# Altium PCB PrototypeSingle.PcbDoc (part 1 of 3) (continued)
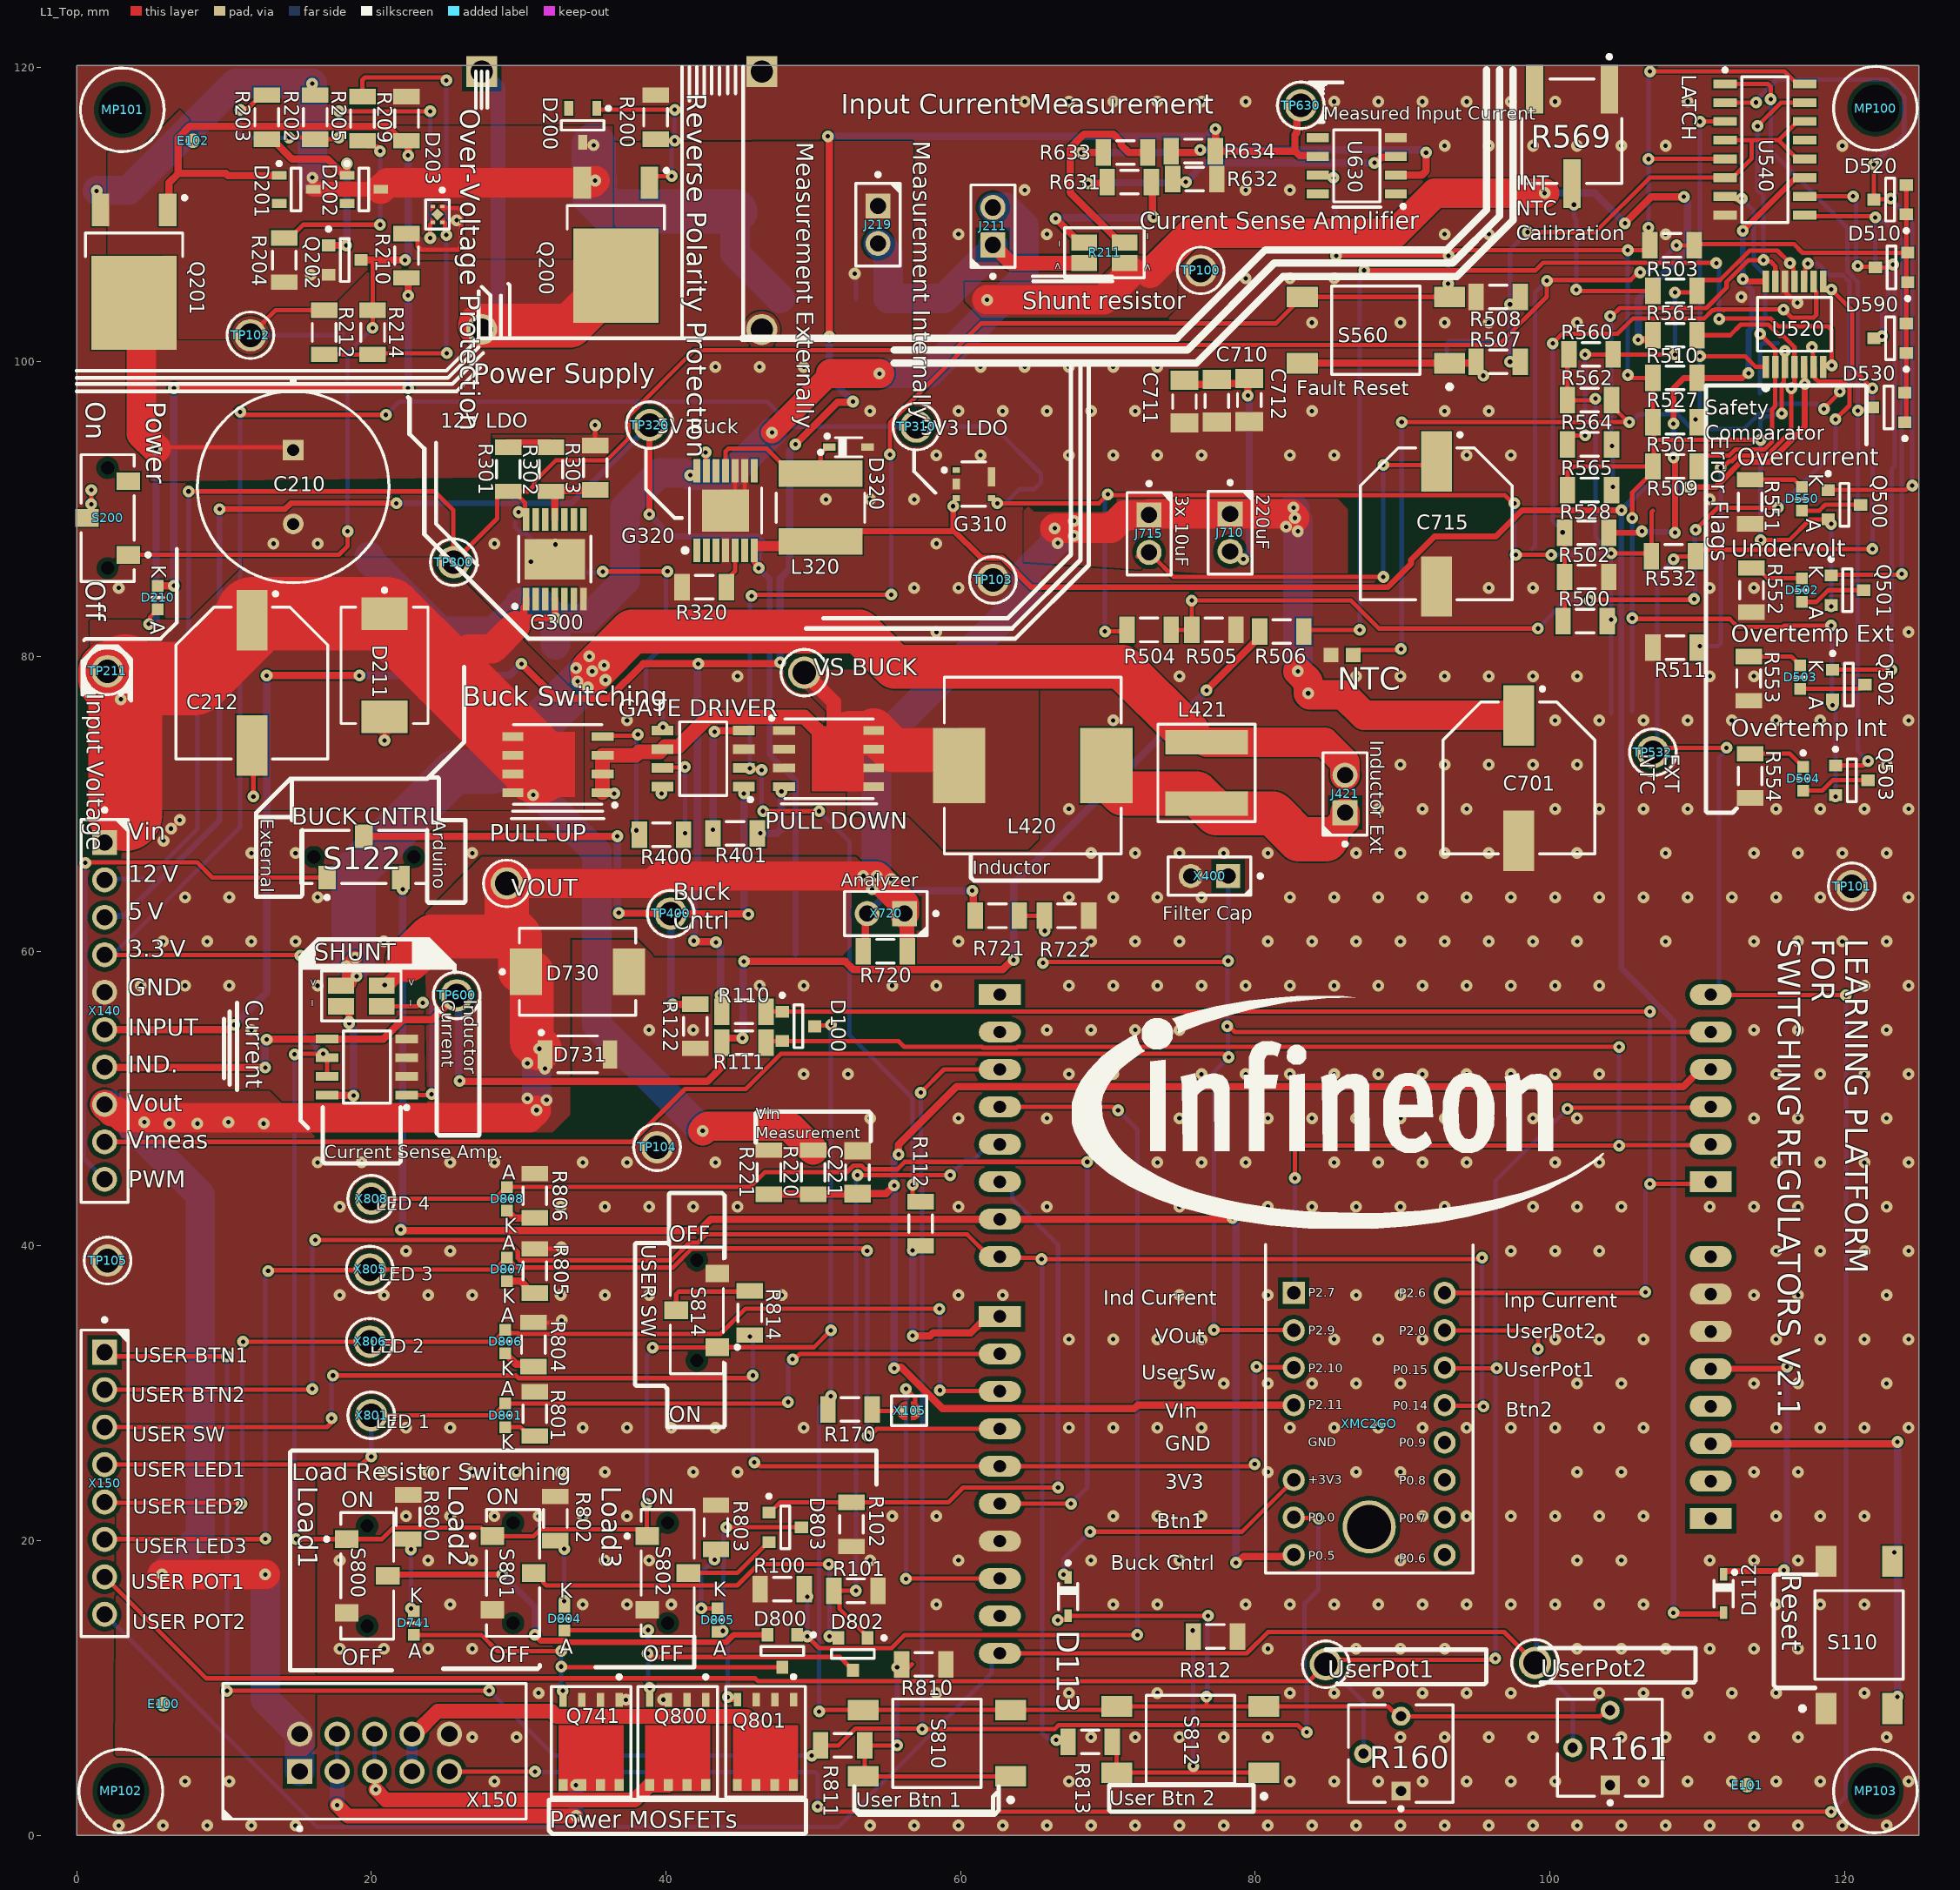
[diagram p0: L1_Top view]
## Components (designator, comment, footprint, x,y, rotation, side; value= is the part's Value field where it differs from the comment)
C210 "1mF" CAPPRD500W60D1300H2700B 14.701,91.499 r270 top
C212 "220uF" CAPAE1030X1050N-3 11.901,78.199 r270 top
C213 "10uF" CAPC3216X190N-1 21.301,86.799 r180 bottom
C220 "100nF" CAPC3216X125N-0 2.101,75.199 r270 bottom
C221 "1nF" CAPC3216X95N 53.001,44.999 r270 top
C300 "100nF" CAPC3216X125N-0 28.7,83.7 r0 bottom
C301 "2.2uF" CAPC3216X70N 28.301,89.099 r0 bottom
C310 "100nF" CAPC3216X125N-0 60.301,88.949 r90 bottom
C311 "2.2uF" CAPC3216X70N 62.701,88.899 r90 bottom
C312 "2.2uF" CAPC3216X70N 64.001,92.099 r0 bottom
C320 "100nF" CAPC3216X125N-0 41.101,93.899 r270 bottom
C321 "10uF" CAPC3216X190N-1 43.501,93.849 r270 bottom
C324 "10uF" CAPC3216X190N-1 48.1,87.4 r180 bottom
C400 "100nF" CAPC3216X125N-0 39.801,76.799 r270 bottom
C401 "100nF" CAPC3216X125N-0 17.001,51.429 r90 bottom
C402 "100nF" CAPC3216X125N-0 38.301,70.599 r0 bottom
C404 "10uF" CAPC3216X190N-1 31.301,68.999 r90 bottom
C500 "100nF" CAPC3216X125N-0 94.451,99.799 r180 bottom
C505 "100nF" CAPC3216X125N-0 117.413,102.449 r270 bottom
C506 "2.2uF" CAPC3216X70N 120.951,99.699 r180 bottom
C520 "100nF" CAPC3216X125N-0 114.013,101.249 r180 bottom
C521 "1nF" CAPC3216X95N 115.913,96.849 r90 bottom
C522 "1nF" CAPC3216X95N 117.813,96.899 r90 bottom
C530 "100nF" CAPC3216X125N-0 114.263,103.549 r0 bottom
C533 "100nF" CAPC3216X125N-0 120.713,104.649 r180 bottom
C540 "100nF" CAPC3216X125N-0 112.813,97.849 r0 bottom
C560 "100nF" CAPC3216X125N-0 115.913,107.749 r270 bottom
C561 "100nF" CAPC3216X125N-0 117.813,108.199 r270 bottom
C630 "100nF" CAPC3216X125N-0 84.301,110.999 r90 bottom
C700 "10uF" CAPC3216X190N-1 20.801,56.159 r90 bottom
C701 "220uF" CAPAE1030X1050N-3 97.9,71.75 r270 top
C710 "10uF" CAPC3216X190N-1 77.401,97.349 r90 top
C711 "10uF" CAPC3216X190N-1 75.201,97.299 r90 top
C712 "10uF" CAPC3216X190N-1 79.601,97.399 r90 top
C715 "220uF" CAPAE1030X1050N-3 92.301,88.999 r270 top
C811 "100nF" CAPC3216X125N-0 52,6.1 r180 bottom
C813 "100nF" CAPC3216X125N-0 68.8,6.5 r180 bottom
C814 "100nF" CAPC3216X125N-0 45.7,35.45 r270 bottom
"Current Sense Amp." "TSC2010HYDT" SOIC127P600X175-8N-16 19.701,52.134 r180 top (schematic designator U421)
D100 "BAT54-05" SOT95P240X110-3N-1-V 49.001,54.899 r0 top
D112 "BAS3010A-03W" SOD2513X110N 111.8,16.4 r270 top
D113 "BAS3010A-03W" SOD2513X110N 67.3,16.2 r270 top
D200 "12V" SOT95P230X110-3N 34.351,116.049 r270 top
D201 "12V" SOT95P230X110-3N 14.901,111.699 r0 top
D202 "12V" SOT95P230X110-3N 19.501,111.699 r0 top
D203 "ATL431LIAQDQNR" TI-SMD-X2SON-V 24.501,109.999 r270 top
D210 "Red" LEDSC160X80X80-2N-1 5.501,83.999 r270 top
D211 "SMDJ20A" DIOM7959X262N 20.901,79.399 r270 top
D320 "BAS3010A-03W" SOD2513X110N 52.401,94.199 r0 top
D502 "Red" LEDSC160X80X80-2N-1 117.101,84.499 r270 top
D503 "Red" LEDSC160X80X80-2N-1 117.001,78.599 r270 top
D504 "Red" LEDSC160X80X80-2N-1 117.201,71.699 r270 top
D510 "BAT54-05" SOT95P240X110-3N-1-V 123.201,106.399 r180 top
D520 "BAT54-05" SOT95P240X110-3N-1-V 123.101,110.999 r180 top
D530 "BAT54-05" SOT95P240X110-3N-1-V 123.001,96.899 r180 top
D550 "Red" LEDSC160X80X80-2N-1 117.101,90.699 r270 top
D590 "BAT54-05" SOT95P240X110-3N-1-V 123.101,101.599 r180 top
D730 "SMC5K40A-M3/I" DIOM7959X262N 34.001,58.599 r0 top
D731 "PMEG6030ETPX" SODFL4725X110N 34.001,52.999 r0 top
D741 "Red" LEDSC160X80X80-2N-1 22.9,14.4 r270 top
D800 "BAT54-05" SOT95P240X110-3N-1-V 47.9,12.5 r270 top
D801 "Red" LEDSC160X80X80-2N-1 29.1,28.5 r90 top
D802 "BAT54-05" SOT95P240X110-3N-1-V 52.7,12.3 r270 top
D803 "BAT54-05" SOT95P240X110-3N-1-V 48.1,20.9 r0 top
D804 "Red" LEDSC160X80X80-2N-1 33.1,14.7 r270 top
D805 "Red" LEDSC160X80X80-2N-1 43.5,14.6 r270 top
D806 "Red" LEDSC160X80X80-2N-1 29.1,33.5 r90 top
D807 "Red" LEDSC160X80X80-2N-1 29.2,38.4 r90 top
D808 "Red" LEDSC160X80X80-2N-1 29.2,43.2 r90 top
E100 "" fiducial 5.9,8.9 r270 top
E101 "" fiducial 113.4,3.4 r0 top
E102 "" fiducial 7.901,114.999 r180 top
G300 "TLT807B0EPV" SOP65P600X115-15N 32.451,86.599 r90 top
G310 "TLE4295G V33" IFX-PG-SCT595-5-2 60.901,91.699 r0 top
G320 "TLF50211EL" SOP65P600X170-15N 44.051,89.899 r90 top
"GATE DRIVER" "Value" SOIC127P600X172-8N-1-V 42.536,73.064 r180 top value=2ED2184S06F (schematic designator U400)
J211 "61300211121" CON-M-THT-61300211121 62.2,109.2 r90 top
J219 "61300211121" CON-M-THT-61300211121 54.4,109.3 r270 top
J421 "61300211121" CON-M-THT-61300211121 86.1,70.67 r90 top
J710 "61300211121" CON-M-THT-61300211121 78.3,88.4 r270 top
J715 "61300211121" CON-M-THT-61300211121 72.8,88.33 r270 top
L320 "22uH" IND-SMD-74404064220 50.501,90.099 r270 top
L420 "27uH" INDM120120X1000N 64.901,72.599 r0 top
L421 "15uH" IND-SMD-SRP6060FA 76.7,72.1 r90 top
MP100 "0082 3 16" "SCREW_0082 3 16_NPTH" 122.101,117.199 r180 top
MP101 "0082 3 16" "SCREW_0082 3 16_NPTH" 3.101,117.099 r0 top
MP102 "0082 3 16" "SCREW_0082 3 16_NPTH" 3,3 r0 top
MP103 "0082 3 16" "SCREW_0082 3 16_NPTH" 122.1,3 r0 top
NTC "10k" RESC1608X95N-1 85.9,80.1 r0 top (schematic designator R563)
"PULL DOWN" "igfet_n_ch_enh_dio_1s2s3s4g5d6d7d8d_8p" INF-PG-PQFN-5X6BEG 51.056,73.064 r0 top value=IRFH5406TRPbF (schematic designator Q401)
"PULL UP" "igfet_n_ch_enh_dio_1s2s3s4g5d6d7d8d_8p" INF-PG-PQFN-5X6BEG 32.656,72.664 r180 top value=IRFH5406TRPbF (schematic designator Q400)
Q200 "IPD650P06NM" TO228P998X250-3N-V2 36.601,108.999 r270 top
Q201 "IPD650P06NM" TO228P998X250-3N-V2 3.9,107.15 r270 top
Q202 "ISS17EP06LM" SOT95P240X110-3N-1-V 18.201,106.899 r0 top
Q500 "ISS17EP06LM" SOT95P240X110-3N-1-V 120.001,90.299 r0 top
Q501 "ISS17EP06LM" SOT95P240X110-3N-1-V 120.201,84.499 r0 top
Q502 "ISS17EP06LM" SOT95P240X110-3N-1-V 120.301,78.099 r0 top
Q503 "ISS17EP06LM" SOT95P240X110-3N-1-V 120.501,71.599 r0 top
Q741 "igfet_n_ch_enh_dio_1s2s3s4g5d6d7d8d_8p" IFX-PG-TDSON-8-6-V 34.923,6.3 r270 top value=BSC0906NS
Q800 "igfet_n_ch_enh_dio_1s2s3s4g5d6d7d8d_8p" IFX-PG-TDSON-8-6-V 40.8,6.3 r270 top value=BSC0906NS
Q801 "igfet_n_ch_enh_dio_1s2s3s4g5d6d7d8d_8p" IFX-PG-TDSON-8-6-V 46.758,6.306 r270 top value=BSC0906NS
R100 "100k" RESC3216X60N 47.9,16.7 r180 top
R101 "100k" RESC3216X60N 52.9,16.6 r0 top
R102 "100k" RESC3216X60N 52.6,21.1 r270 top
R110 "47k" RESC3216X60N 45.301,55.899 r180 top
R111 "47k" RESC3216X60N 45.301,53.799 r180 top
R112 "47k" RESC3216X60N 57.3,41.5 r270 top
R122 "100k" RESC3216X60N 42,54.9 r270 top
R160 "10k" POT-THT-3362P 88.63,5.54 r90 top
R161 "10k" POT-THT-3362P 102.83,5.94 r90 top
R170 "20.5R" RESC3216X60N 52.5,28.9 r180 top
R200 "47k" RESC3216X60N 39.301,116.599 r270 top
R202 "47k" RESC3216X60N 16.201,116.599 r90 top
R203 "47k" RESC3216X60N 12.901,116.599 r90 top
R204 "100k" RESC3216X60N 14.101,106.899 r90 top
R205 "47k" RESC3216X60N 19.401,116.499 r270 top
R209 "47k" RESC3216X60N 22.401,116.499 r270 top
R210 "17.8k" RESC3216X60N 22.401,107.199 r90 top
R211 "15mR" RES-SMD-L4T12 69.775,107.4 r180 top
R212 "17.8k" RESC3216X60N 16.801,101.999 r90 top
R214 "1MEG" RESC3216X60N 20.101,101.999 r90 top
R219 "PMR18EZPJV1L0" RESC3216X59N 54,104.3 r0 bottom
R220 "17.8k" RESC3216X60N 50.001,44.999 r270 top
R221 "2.2k" RESC3216X60N 47.001,44.999 r90 top
R301 "17.8k" RESC3216X60N 29.301,92.699 r90 top
R302 "2.2k" RESC3216X60N 32.201,92.699 r90 top
R303 "2.2k" RESC3216X60N 35.201,92.809 r270 top
R320 "47k" RESC3216X60N 42.601,84.699 r180 top
R400 "20.5R" RESC3216X60N 39.701,67.899 r0 top
R401 "20.5R" RESC3216X60N 44.701,67.999 r180 top
R500 "4.7k" RESC3216X60N 102.401,82.399 r0 top
R501 "4.7k" RESC3216X60N 108.501,95.899 r180 top
R502 "4.7k" RESC3216X60N 102.501,85.399 r180 top
R503 "4.7k" RESC3216X60N 108.301,107.899 r180 top
R504 "17.8k" RESC3216X60N 72.801,81.799 r180 top
R505 "64.9k" RESC3216X60N 77.201,81.799 r180 top
R506 "100k" RESC3216X60N 81.801,81.699 r0 top
R507 "100k" RESC3216X60N 96.501,99.999 r180 top
R508 "2.2k" RESC3216X60N 96.501,104.399 r180 top
R509 "4.7k" RESC3216X60N 108.501,92.899 r180 top
R510 "17.8k" RESC3216X60N 108.501,101.799 r0 top
R511 "17.8k" RESC3216X60N 108.501,80.599 r0 top
R527 "4.7k" RESC3216X60N 108.501,98.899 r180 top
R528 "100k" RESC3216X60N 102.501,88.399 r180 top
R532 "4.7k" RESC3216X60N 108.401,86.799 r180 top
R551 "17.8k" RESC3216X60N 113.601,90.499 r270 top
R552 "17.8k" RESC3216X60N 113.701,84.499 r90 top
R553 "17.8k" RESC3216X60N 113.501,78.499 r90 top
R554 "17.8k" RESC3216X60N 113.601,71.899 r270 top
R560 "17.8k" RESC3216X60N 102.801,100.499 r0 top
R561 "4.7k" RESC3216X60N 108.501,104.799 r0 top
R562 "4.7k" RESC3216X60N 102.701,97.399 r180 top
R564 "47k" RESC3216X60N 102.701,94.399 r180 top
R565 "4.7k" RESC3216X60N 102.701,91.299 r180 top
R569 "10k" POT-SMD-3361P 101.501,115.299 r270 top
R631 "1.3k" RESC3216X60N 71.461,112.2 r180 top
R632 "64.9k" RESC3216X60N 75.9,112.4 r0 top
R633 "1.3k" RESC3216X60N 71.2,114.2 r180 top
R634 "64.9k" RESC3216X60N 75.8,114.3 r0 top
R720 "20.5R" RESC3216X60N 54.9,60 r0 top
R721 "17.8k" RESC3216X60N 62.501,62.399 r180 top
R722 "2.2k" RESC3216X60N 67.2,62.4 r0 top
R800 "2.2k" RESC3216X60N 22.5,21.6 r90 top
R801 "2.2k" RESC3216X60N 31.1,28.6 r90 top
R802 "2.2k" RESC3216X60N 32.5,21.5 r90 top
R803 "2.2k" RESC3216X60N 43.4,20.9 r90 top
R804 "2.2k" RESC3216X60N 31,33.3 r90 top
R805 "2.2k" RESC3216X60N 31.1,38.3 r90 top
R806 "2.2k" RESC3216X60N 31.1,43.4 r90 top
R810 "4.7k" RESC3216X60N 57.5,11.6 r0 top
R811 "64.9k" RESC3216X60N 52,6.1 r180 top
R812 "4.7k" RESC3216X60N 77.3,13.5 r0 top
R813 "64.9k" RESC3216X60N 68.8,6.336 r180 top
R814 "17.8k" RESC3216X60N 45.7,35.45 r270 top
S110 "1301.9314" SW-SMD-1301.9314 121,13.6 r90 top
S122 "CL-SB-12A-01T" SW-SMD-CL-SB-12A-01T 19.501,66.399 r90 top
S200 "CL-SB-12A-01T" SW-SMD-CL-SB-12A-01T 2.101,89.399 r180 top
S560 "1301.9314" SW-SMD-1301.9314 88.201,102.149 r180 top
S800 "CL-SB-12A-01T" SW-SMD-CL-SB-12A-01T 19.723,17.6 r0 top
S801 "CL-SB-12A-01T" SW-SMD-CL-SB-12A-01T 29.623,17.8 r0 top
S802 "CL-SB-12A-01T" SW-SMD-CL-SB-12A-01T 40.123,17.8 r0 top
S810 "1301.9314" SW-SMD-1301.9314 58.4,6.25 r180 top
S812 "1301.9314" SW-SMD-1301.9314 75.6,6.5 r180 top
S814 "CL-SB-12A-01T" SW-SMD-CL-SB-12A-01T 42.1,35.623 r180 top
SHUNT "15mR" RES-SMD-L4T12 19.326,56.959 r0 top (schematic designator R420)
TP100 "5011" CON-THT-TP-5011 76.301,106.199 r90 top
TP101 "5011" CON-THT-TP-5011 120.5,64.4 r180 top
TP102 "5011" CON-THT-TP-5011 11.8,101.8 r0 top
TP103 "5011" CON-THT-TP-5011 62.201,85.199 r270 top
TP104 "5011" CON-THT-TP-5011 39.4,46.7 r270 top
TP105 "5011" CON-THT-TP-5011 2.1,39 r90 top
TP211 "5010" CON-THT-TP-5010 2.101,78.999 r270 top
TP300 "5010" CON-THT-TP-5010 25.6,86.4 r90 top
TP310 "5010" CON-THT-TP-5010 57.001,95.599 r90 top
TP320 "5010" CON-THT-TP-5010 38.901,95.699 r90 top
TP400 "5010" CON-THT-TP-5010 40.331,62.549 r270 top
TP532 "5010" CON-THT-TP-5010 107.001,73.499 r90 top
TP600 "5010" CON-THT-TP-5010 25.801,56.999 r90 top
TP630 "5010" CON-THT-TP-5010 83.101,117.399 r90 top
U520 "LM339PWR" SOP65P640X120-14N-1 116.613,102.549 r90 top
U540 "HEF4043BT,653" SOIC127P600X175-16N-6 114.601,114.399 r0 top
U630 "OPA197IDR" SOIC127P600X175-8N-23 86.901,113.299 r180 top
UserPot1 "5010" CON-THT-TP-5010 84.8,11.6 r180 top (schematic designator TP160)
UserPot2 "5010" CON-THT-TP-5010 99,11.7 r90 top (schematic designator TP161)
VOUT "5010" CON-THT-TP-5010 29.201,64.599 r0 top (schematic designator TP431)
"VS BUCK" "5010" CON-THT-TP-5010 49.401,78.899 r0 top (schematic designator TP401)
X100 "973 582-101" "CON-THT-973 582- 101" 27.501,110.949 r270 bottom
X101 "973 582-100" "CON-THT-973 582- 100" 46.509,110.941 r270 bottom
X105 "Solder Jumper 2 Pins" SOLDER_BRIDGE_0.7X1.299PAD 56.517,28.8 r180 top
X110 "Arduino-Uno" Arduino-Uno 86.8,34.7 r90 bottom locked
X140 "TSW-110-07-L-S" CON-M-THT-TSW-110-07-L-S 1.901,55.949 r270 top
X150 "TSW-108-07-L-S" CON-M-THT-TSW-108-07-L-S 1.9,23.89 r270 top
X150 "61201021621" CON-M-THT-61201021621 20.223,5.6 r90 top (schematic designator 190)
X400 "SSW-102-01-G-S" CON-F-THT-SSW-102-01-G-S 76.9,65.1 r180 top
X720 "61300211121" CON-M-THT-61300211121 54.931,62.549 r180 top
X801 "5010" CON-THT-TP-5010 20,28.5 r0 top
X805 "5010" CON-THT-TP-5010 19.9,38.4 r0 top
X806 "5010" CON-THT-TP-5010 19.9,33.5 r0 top
X808 "5010" CON-THT-TP-5010 20,43.2 r0 top
XMC2GO "IFX_KIT_XMC_2GO_XMC1100_V1" IFX-THT-KIT_XMC_2GO_XMC1100_V1 86.8,32.5 r0 top

## Footprints (in the part's own frame and the unit in brackets; to place one, negate y for a bottom-side part, rotate by r counter-clockwise, add the part's x,y. Pads: shape width x height; smd on the part's side, far side on the other; paste and mask are expansions set on the pad)
Arduino-Uno [mm] "Arduino-Uno, THT, 32 Pin, 68.58 mm L X 53.34 mm W X 8.64 mm H body"
  rect 1.422x2.845 hole 0.85 paste+0 mask+0: 1A(-13.208,24.13) 1B(9.652,24.13) 1C(0.508,-24.13) 1D(22.352,-24.13)
  oval 1.422x2.845 hole 0.85 paste+0 mask+0: 2A(-10.668,24.13) 2B(12.192,24.13) 2C(-2.032,-24.13) 2D(19.812,-24.13) 3A(-8.128,24.13) 3B(14.732,24.13) 3C(-4.572,-24.13) 3D(17.272,-24.13) 4A(-5.588,24.13) 4B(17.272,24.13) 4C(-7.112,-24.13) 4D(14.732,-24.13) 5A(-3.048,24.13) 5B(19.812,24.13) 5C(-9.652,-24.13) 5D(12.192,-24.13) 6A(-0.508,24.13) 6B(22.352,24.13) 6C(-12.192,-24.13) 6D(9.652,-24.13) 7A(2.032,24.13) 7C(-14.732,-24.13) 7D(7.112,-24.13) 8A(4.572,24.13) 8C(-17.272,-24.13) 8D(4.572,-24.13) 9C(-19.812,-24.13) 10C(-22.352,-24.13)
CAPAE1030X1050N-3 [mm] "Capacitor,Aluminum Electrolytic;10.30mm L X 10.30mm W X 10.50mm H"
  rect 4.1x2.1 smd paste+0 mask+0: 1(-4.25,0) 2(4.25,0)
  silkscreen extent -6.17,-5.15 5.15,5.15, body extent -5.5,-5.15 5.5,5.15, height 10.5
CAPC3216X70N [mm] "Capacitor,non-polarized,Chip;3.20mm L X 1.60mm W X 0.70mm H"
  rect 1.2x1.8 smd paste+0 mask+0: 1(-1.45,0) 2(1.45,0)
  silkscreen extent -0.5,-0.8 0.5,0.8, body extent -1.6,-0.8 1.6,0.8, height 0.7
CAPC3216X95N [mm] "Capacitor,non-polarized,Chip;3.20mm L X 1.60mm W X 0.95mm H"
  rect 1.2x1.8 smd paste+0 mask+0: 1(-1.45,0) 2(1.45,0)
  silkscreen extent -0.5,-0.8 0.5,0.8, body extent -1.6,-0.8 1.6,0.8, height 0.95
CAPC3216X125N-0 [mm] "Capacitor,non-polarized,Chip;3.20mm L X 1.60mm W X 1.25mm H"
  rect 1.2x1.8 smd paste+0 mask+0: 1(-1.45,0) 2(1.45,0)
  silkscreen extent -0.5,-0.8 0.5,0.8, body extent -1.6,-0.8 1.6,0.8, height 1.25
CAPC3216X190N-1 [mm] "Capacitor,non-polarized,Chip;3.20mm L X 1.60mm W X 1.90mm H"
  rect 1.3x1.9 smd paste+0 mask+0: 1(-1.45,0) 2(1.45,0)
  silkscreen extent -0.45,-0.8 0.45,0.8, body extent -1.6,-0.8 1.6,0.8, height 1.9
CAPPRD500W60D1300H2700B [mm] "Capacitor,polarized,Radial;5.00mm C X 0.60mm W 13.00mm Dia X 27.00mm H"
  rect 1.4x1.4 hole 0.8 mask+0: 1(-2.5,0)
  round 1.4 hole 0.8 mask+0: 2(2.5,0)
  silkscreen extent -7.27,-6.5 6.5,6.5, body extent -6.75,-6.75 6.75,6.75, height 27
CON-F-THT-SSW-102-01-G-S [mm] "Header, THT, 2.54mm pitch, 2 pin, 5.59mm L X 2.41mm W X 8.64mm H body"
  rect 1.64x1.64 hole 1.04 paste+0 mask+0: 1(-1.27,0)
  round 1.64 hole 1.04 paste+0 mask+0: 2(1.27,0)
  silkscreen extent -3.58,-1.3 2.8,1.3, body extent -2.79,-1.21 2.79,1.21, height 8.51
CON-M-THT-61201021621 [mm] "Connector, THT, 2.54mm Pitch; 10 Pins, 9.10 mm L X 20.36 mm W X 9.25 mm H body"
  rect 1.7x1.7 hole 1.1 paste+0 mask+0: 1(-1.27,5.08)
  round 1.7 hole 1.1 paste+0 mask+0: 2(1.27,5.08) 3(-1.27,2.54) 4(1.27,2.54) 5(-1.27,0) 6(1.27,0) 7(-1.27,-2.54) 8(1.27,-2.54) 9(-1.27,-5.08) 10(1.27,-5.08)
  silkscreen extent -5.27,-10.3 4.7,10.3, body extent -4.46,-10.18 4.71,10.18, height 9.1
CON-M-THT-61300211121 [mm] "Header, Vertical, 2.54mm Pitch; 2 Pins, Single row, 5.08mm L X 2.54mm W X 8.89mm H body"
  rect 1.7x1.7 hole 1.1 paste+0 mask+0: 1(-1.27,0)
  round 1.7 hole 1.1 paste+0 mask+0: 2(1.27,0)
  silkscreen extent -3.52,-1.5 2.8,1.5, body extent -2.54,-1.27 2.54,1.27, height 8.54
CON-M-THT-TSW-108-07-L-S [mm] "Header,vertical,2.54mm pitch;0.64mm lead width,8 pins,1 row,8 pins per row,20.32mm L X 2.54mm W X 8.636mm H body"
  rect 1.7x1.7 hole 1.1 paste+0 mask+0: 1(-8.89,0)
  round 1.7 hole 1.1 paste+0 mask+0: 2(-6.35,0) 3(-3.81,0) 4(-1.27,0) 5(1.27,0) 6(3.81,0) 7(6.35,0) 8(8.89,0)
  silkscreen extent -11.21,-1.6 10.4,1.6, body extent -10.29,-1.27 10.16,1.27, height 8.38
CON-M-THT-TSW-110-07-L-S [mm] "Header,vertical,2.54mm pitch;0.64mm lead width,10 pins,1 row,10 pins per row,25.40mm L X 2.54mm W X 8.636mm H body"
  rect 1.7x1.7 hole 1.1 paste+0 mask+0: 1(-11.43,0)
  round 1.7 hole 1.1 paste+0 mask+0: 2(-8.89,0) 3(-6.35,0) 4(-3.81,0) 5(-1.27,0) 6(1.27,0) 7(3.81,0) 8(6.35,0) 9(8.89,0) 10(11.43,0)
  silkscreen extent -13.75,-1.6 13,1.6, body extent -12.83,-1.27 12.7,1.27, height 8.38
"CON-THT-973 582- 100" [mm] "Banana Jack, 2 pins, 17.5mm Pitch, 21mm L X 7.5mm W X 10.5mm H body"
  rect 2.1x2.1 hole 1.5 paste+0 mask+0: 1(-8.75,0)
  round 2.1 hole 1.5 paste+0 mask+0: 2(8.75,0)
  silkscreen extent -9.2,-4.25 11.8,3.75, body extent -9.2,-4.25 11.8,3.75, height 10.5
"CON-THT-973 582- 101" [mm] "Banana Jack, 2 pins, 17.5mm Pitch, 21mm L X 7.5mm W X 10.5mm H body"
  rect 2.1x2.1 hole 1.5 paste+0 mask+0: 1(-8.75,0)
  round 2.1 hole 1.5 paste+0 mask+0: 2(8.75,0)
  silkscreen extent -9.2,-4.25 11.8,3.75, body extent -9.2,-4.25 11.8,3.75, height 10.5
CON-THT-TP-5010 [mm] "Test Point, 1.78 mm Lead Width, Round, 3.17 mm Dia X 8.28 mm H body"
  round 2.2 hole 1.6 paste+0 mask+0: 1(0,0)
  silkscreen extent -1.58,-1.59 1.58,1.59, body extent -1.59,-1.59 1.59,1.59, height 8.13
CON-THT-TP-5011 [mm] "Test Point, 1.78 mm Lead Width, Round, 3.17 mm Dia X 8.28 mm H body"
  round 2.2 hole 1.6 paste+0 mask+0: 1(0,0)
  silkscreen extent -1.58,-1.59 1.58,1.59, body extent -1.59,-1.59 1.59,1.59, height 8.13
DIOM7959X262N [mm] "Diode,Molded Body;7.94mm L X 5.905mm W X 2.62mm H"
  rect 2.2x3.15 smd paste+0 mask+0: 1(-3.5,0) 2(3.5,0)
  silkscreen extent -5.22,-2.95 3.95,2.95, body extent -3.97,-2.95 3.97,2.95, height 2.62